# Altium PCB PCB_Tesis2.PcbDoc
Units mil, origin at the board's own origin, x right, y up, seen from the top; angles counter-clockwise.
Board outline 2510 x 850 mil, 2 copper layers (Top Layer, Bottom Layer); 30 components, 59 nets, 163 pads, 0 vias.
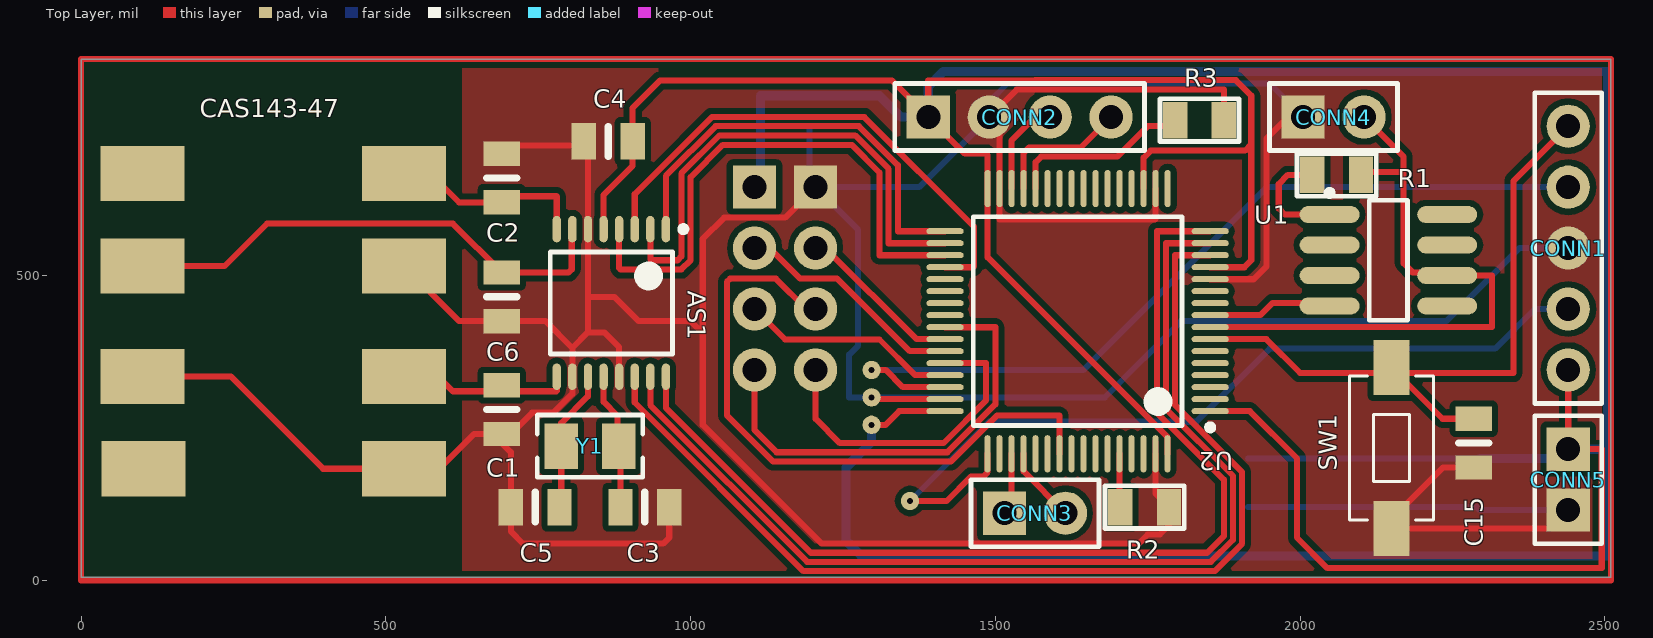
[diagram p0: Top Layer view]
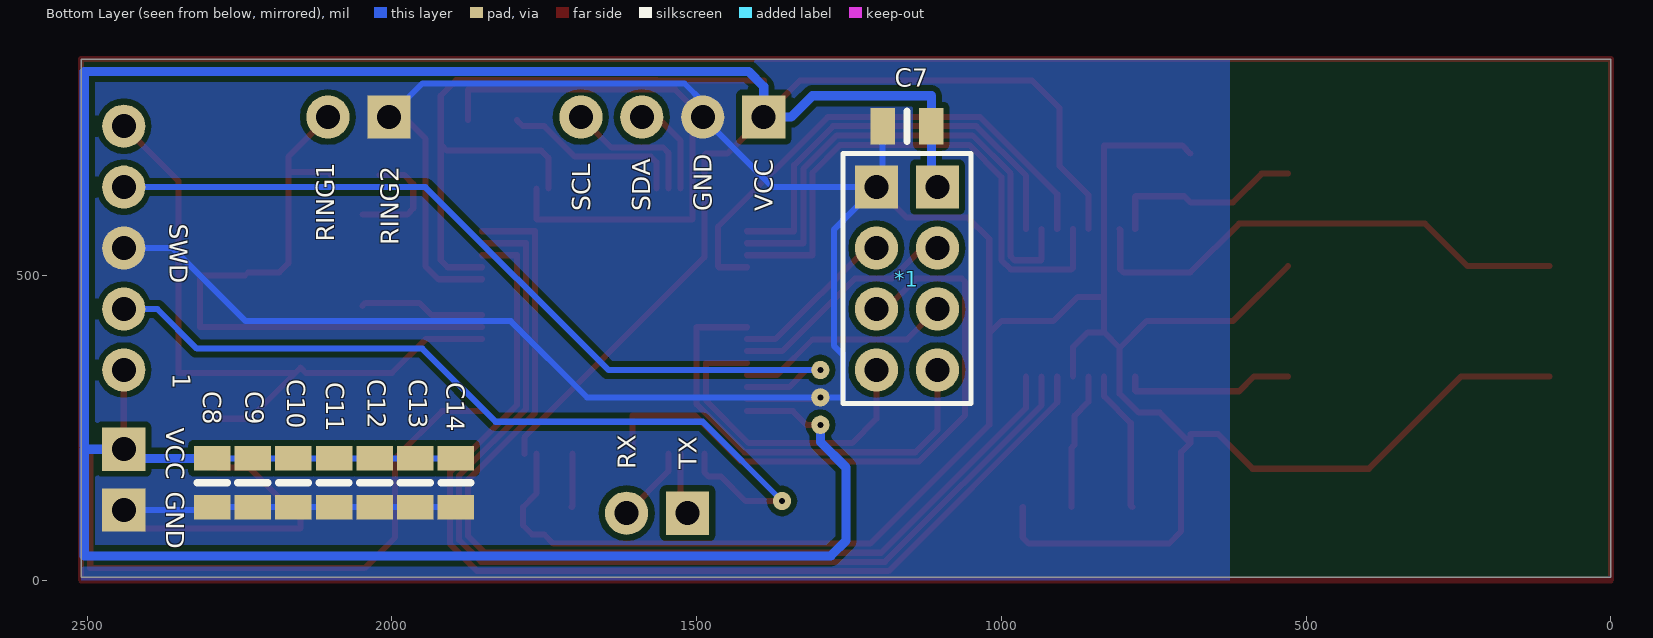
[diagram p1: Bottom Layer view, seen from below]

## Layer stack, top to bottom
Top Solder: solder mask 0.4, Solder Resist, Dk 3.5
Top Layer: signal copper 1.4
Dielectric 1: dielectric 12.6, FR-4, Dk 4.8
Bottom Layer: signal copper 1.4
Bottom Solder: solder mask 0.4, Solder Resist, Dk 3.5

## Board outline
0,5 0,855 2510,855 2510,5

## Design rules (kind name [scope] priority, off if disabled: settings)
Clearance [All] p1: gap=10 ignorepadtopadclearanceinfootprint=FALSE except(0: Arc-Hole Track-Hole SMDPad-Hole THPad-Hole Via-Hole Fill-Hole Poly-Hole Region-Hole Text-Hole; 5: Arc-Arc Arc-Track Arc-SMDPad Arc-THPad Arc-Via Track-Track Track-SMDPad Track-THPad Track-Via SMDPad-SMDPad SMDPad-THPad SMDPad-Via THPad-THPad THPad-Via Via-Via)
PolygonConnect [All] p1: connectstyle=Direct reliefconductorwidth=10 reliefentries=4 polygonreliefangle="90 Angle" airgapwidth=10
RoutingVias [All] p1: holewidth=28 width=50 viastyle="Through Hole" minholewidth=28 minwidth=50 maxholewidth=28 maxwidth=50
SolderMaskExpansion [All] p1: expansion=4
Width [All] p1: maxlimit=15 minlimit=10 preferedwidth=10 toplayer_maxwidth=10 minimp=50.000000 maximp=50.000000 favimp=50.000000
30 further rules are at their usual default settings.

## Classes and differential pairs
component class "Top Sheet": CONN1 CONN2 CONN3 CONN4 CONN5
component class STM32L152: C8 C9 C10 C11 C12 C13 C14 C15 R2 R3 SW1 U2
component class NRF24l01: C7 NRF24l01+
component class LM334: R1 U1
component class AS3933: AS1 C1 C2 C3 C4 C5 C6 CAS143-47 Y1

## Components (designator, comment, footprint, x,y, rotation, side; value= is the part's Value field where it differs from the comment)
*1 "NRF24l01" NRF24l01 1105,345 r0 bottom
AS1 "" TSOP65P640X110-16N 870,455 r270 top
C1 "330pF" SMD-0805C 690,280 r180 top
C2 "330pF" SMD-0805C 690,660 r0 top
C3 "22pF" SMD-0805C 925,120 r270 top
C4 "0.1uF" SMD-0805C 865,720 r270 top
C5 "22pF" SMD-0805C 745,120 r90 top
C6 "220pF" SMD-0805C 690,465 r0 top
C7 "10uf" SMD-0805C 1155,745 r270 bottom value=10uF
C8 "0.1uF" SMD-0805C 2295,160 r180 bottom
C9 "0.1uF" SMD-0805C 2228.33,160 r180 bottom
C10 "0.1uF" SMD-0805C 2161.67,160 r180 bottom
C11 "0.1uF" SMD-0805C 2095,160 r180 bottom
C12 "1uF" SMD-0805C 2028.33,160 r180 bottom
C13 "0.1uF" SMD-0805C 1961.67,160 r180 bottom
C14 "1uF" SMD-0805C 1895,160 r180 bottom
C15 "0.1uF" SMD-0805C 2285,225 r0 top
CAS143-47 "CAS143-47" CAS143-47 315,425 r90 top (schematic designator CAS1)
CONN1 "SWD" "1x5x2.54 Pin Header TH V" 2440,545 r90 top
CONN2 "Sensor Temperatura" "1x4x2.54 Pin Header TH V" 1540,760 r0 top
CONN3 "USART" "1x2x2.54 Pin Header TH V" 1565,110 r0 top
CONN4 "Connector" "1x2x2.54 Pin Header TH V - duplicate" 2055,760 r180 top
CONN5 "BATERY" "1x2X2.54 Horizontal" 2440,165 r270 top
R1 "Res1" SMD-0805-RES 2060,665 r90 top value=60.4
R2 "510" SMD-0805-RES 1745,120 r270 top
R3 "510" SMD-0805-RES 1835,755 r270 top
SW1 "Switch_Tact" Switch_Tact 2150,216.89 r90 top
U1 "LM334DT" M08A_M 2145,525 r0 top
U2 "STM32L152RCT6" STM-LQFP64_L 1635,425 r180 top
Y1 "32.7khz" "ABRACON ABS07" 835,220 r0 top

## Footprints (in the part's own frame and the unit in brackets; to place one, negate y for a bottom-side part, rotate by r counter-clockwise, add the part's x,y. Pads: shape width x height; smd on the part's side, far side on the other; paste and mask are expansions set on the pad)
"1x2X2.54 Horizontal" [mm] "1x2x2.54 Pin Header TH V"
  rect 1.8x1.8 hole 1: 1(-1.27,0) 2(1.27,0)
  silkscreen extent -2.67,-1.4 2.67,1.4, body extent -2.54,-0.32 2.54,9.81, height 2.51
"1x2x2.54 Pin Header TH V" [mm] "1x2x2.54 Pin Header TH V"
  rect 1.8x1.8 hole 1: 1(-1.27,0)
  round 1.8 hole 1: 2(1.27,0)
  silkscreen extent -2.67,-1.4 2.67,1.4
"1x2x2.54 Pin Header TH V - duplicate" [mm] "1x2x2.54 Pin Header TH V"
  round 1.8 hole 1: 1(-1.27,0)
  rect 1.8x1.8 hole 1: 2(1.27,0)
  silkscreen extent -2.67,-1.4 2.67,1.4
"1x4x2.54 Pin Header TH V" [mm] "1x4x2.54 Pin Header TH V"
  rect 1.8x1.8 hole 1: 1(-3.81,0)
  round 1.8 hole 1: 2(-1.27,0) 3(1.27,0) 4(3.81,0)
  silkscreen extent -5.21,-1.4 5.21,1.4, body extent -5.08,-1.27 5.08,1.27, height 8.55
"1x5x2.54 Pin Header TH V" [mm] "1x5x2.54 Pin Header TH V"
  round 1.8 hole 1: 1(-5.08,0) 2(-2.54,0) 3(0,0) 4(2.54,0) 5(5.08,0)
  silkscreen extent -6.48,-1.4 6.48,1.4, body extent -6.35,-9.88 6.35,0.25, height 2.51
"ABRACON ABS07" [mm] "Crystal, 2-Leads, Body 3.20x1.50mm, IPC Medium Density"
  rect 1.4x1.9 smd: 1(-1.2,0) 2(1.2,0)
  silkscreen extent -2.2,-1.3 2.2,1.3, body extent -1.62,-0.77 1.63,0.78, height 0.9
CAS143-47 [mm]
  rect 2.3x3.5 smd: 1(-6.15,5.4) 2(-2.3,5.45) 3(2.3,5.45) 4(6.15,5.45) 5(-6.15,-5.45) 6(-2.3,-5.45) 7(2.3,-5.45) 8(6.15,-5.45)
  body extent -7.2,-7.1 7.2,7, height 4
M08A_M [mm] "SOIC, 8-Leads, Body 4.9x3.9mm, Pitch 1.27mm, IPC Low Density"
  oval 2.5x0.7 smd: 1(-2.45,1.905) 2(-2.45,0.635) 3(-2.45,-0.635) 4(-2.45,-1.905) 5(2.45,-1.905) 6(2.45,-0.635) 7(2.45,0.635) 8(2.45,1.905)
  silkscreen extent -2.57,-2.5 0.8,2.93, body extent -3,-2.45 3,2.45, height 1.63
NRF24l01 [mm] "2.4 Ghz Transiever by Nordic."
  rect 1.8x1.8 hole 1: 1(2.54,-7.62) 2(0,-7.62)
  round 1.8 hole 1: 3(2.54,-5.08) 4(0,-5.08) 5(2.54,-2.54) 6(0,-2.54) 7(2.54,0) 8(0,0)
  silkscreen extent -1.4,-9.02 3.94,1.4, body extent -25,-9.5 4,5.5, height 6.52
SMD-0805-RES [mil]
  rect 60x40 smd: 1(0,40) 2(0,-40)
  silkscreen extent -35,-65 35,65, body extent -24,-39 26,39, height 31
SMD-0805C [mil]
  rect 60x40 smd: 1(0,40) 2(0,-40)
  silkscreen extent -25,0 25,0, body extent -25,-39 25,39, height 35
STM-LQFP64_L [mm] "Thin QFP, 64-Leads, Body 10x10mm, Pitch 0.5mm, IPC High Density"
  oval 1.55x0.25 smd: 1(-5.525,3.75) 2(-5.525,3.25) 3(-5.525,2.75) 4(-5.525,2.25) 5(-5.525,1.75) 6(-5.525,1.25) 7(-5.525,0.75) 8(-5.525,0.25) 9(-5.525,-0.25) 10(-5.525,-0.75) 11(-5.525,-1.25) 12(-5.525,-1.75) 13(-5.525,-2.25) 14(-5.525,-2.75) 15(-5.525,-3.25) 16(-5.525,-3.75) 33(5.525,-3.75) 34(5.525,-3.25) 35(5.525,-2.75) 36(5.525,-2.25) 37(5.525,-1.75) 38(5.525,-1.25) 39(5.525,-0.75) 40(5.525,-0.25) 41(5.525,0.25) 42(5.525,0.75) 43(5.525,1.25) 44(5.525,1.75) 45(5.525,2.25) 46(5.525,2.75) 47(5.525,3.25) 48(5.525,3.75)
  oval 0.25x1.55 smd: 17(-3.75,-5.525) 18(-3.25,-5.525) 19(-2.75,-5.525) 20(-2.25,-5.525) 21(-1.75,-5.525) 22(-1.25,-5.525) 23(-0.75,-5.525) 24(-0.25,-5.525) 25(0.25,-5.525) 26(0.75,-5.525) 27(1.25,-5.525) 28(1.75,-5.525) 29(2.25,-5.525) 30(2.75,-5.525) 31(3.25,-5.525) 32(3.75,-5.525) 49(3.75,5.525) 50(3.25,5.525) 51(2.75,5.525) 52(2.25,5.525) 53(1.75,5.525) 54(1.25,5.525) 55(0.75,5.525) 56(0.25,5.525) 57(-0.25,5.525) 58(-0.75,5.525) 59(-1.25,5.525) 60(-1.75,5.525) 61(-2.25,5.525) 62(-2.75,5.525) 63(-3.25,5.525) 64(-3.75,5.525)
  silkscreen extent -5.65,-4.35 4.35,4.55, body extent -6,-6 6,6, height 1.6
Switch_Tact [mm] "6.0*3.5mm vertical type, SMD, height 4.3mm, salmon actuator, 360gf, T&R"
  rect 2.3x1.5 smd: 1(-3.35,0) 2(3.35,0)
  silkscreen extent -3,-1.75 3,1.75, body extent -4,-1.8 4,1.8, height 2.5
TSOP65P640X110-16N [mm] "TSOP, 16-Leads, Body 5.00x4.40mm, Pitch 0.65mm, IPC Medium Density"
  oval 1.1x0.35 smd: 1(-3.075,2.275) 2(-3.075,1.625) 3(-3.075,0.975) 4(-3.075,0.325) 5(-3.075,-0.325) 6(-3.075,-0.975) 7(-3.075,-1.625) 8(-3.075,-2.275) 9(3.075,-2.275) 10(3.075,-1.625) 11(3.075,-0.975) 12(3.075,-0.325) 13(3.075,0.325) 14(3.075,0.975) 15(3.075,1.625) 16(3.075,2.275)
  silkscreen extent -3.2,-2.55 2.12,3.13, body extent -3.34,-2.55 3.09,2.55, height 1.11

## Part data
AS1 CAS143-47: library part Component_1
C1 C2: library part CC0805GRNPO9BN331, "Cap Ceramic 330pF 50V C0G 2%  0805", Manufacturer=Yageo, Package / Case=0805, Tolerance=2%, Voltage=50V, Part Number=CC0805GRNPO9BN331
C3 C5: library part CL21C220JBANNND, "Cap Ceramic 22pF 50V C0G 5%0805", Manufacturer="Samsung Electro-Mechanics", Package / Case=0805, Tolerance=1%, Voltage=100V, Part Number=CL21C220JBANNND
C4 C8 C9 C10 C11 C13 C15: library part CL21B104JBCNNNC, "CAP CER 0.1uF 50V X7T 0805", Manufacturer="Samsung Electro-Mechanics", Package / Case=0805, Part Number=GC321AD72E103KX01D, Tolerance=5%, Voltage=50V
C6: library part GCM2165C2A221FA16D, "Cap Ceramic 220pF 100V C0G 1% 0805", Manufacturer="Murata Manufacturing", Package / Case=0805, Tolerance=1%, Voltage=100V, Part Number=GCM2165C2A221FA16D
C7: library part EKA00AA247F00, "Aluminum Electrolytic Capacitor, Radial Style with Long Leads: 47uF, 35V", ComponentLink1Description="Manufacturer Link", ComponentLink1URL=http://www.vishay.com/, ComponentLink2Description=Datasheet, ComponentLink2URL=http://www.vishay.com/docs/25014/eka.pdf, DatasheetDocument=20-Feb-2001, DrillSize="Nominal, Rounded To The Nearest 0.1mm", Note="Refer to Manufacturer's Data Sheets for other lead formations", PackageReference=CAPPR2-5X11, Published=19-Mar-2004, Publisher="Altium Limited"
C12 C14: library part CL21B105KOFNNNG, "CAP CER 1uF 16V X7T 0805", Manufacturer="Samsung Electro-Mechanics", Package / Case=0805, Tolerance=10%, Voltage=16V, Part Number=CL21B105KOFNNNG
CONN1: library part "Header 1x5"
CONN2: library part "Header 1x4"
CONN3 CONN4 CONN5: library part "Header 1x2"
R1: "Resistor", LatestRevisionDate=17-Jul-2002, LatestRevisionNote="Re-released for DXP Platform.", PackageDescription="Axial Device, Thru-Hole; 2 Leads; 0.3 in Pin Spacing", PackageReference=AXIAL-0.3, Published=8-Jun-2000, Publisher="Altium Limited"
R2 R3: library part ERJ-6GEYJ511V, "RES SMD 510 OHM 5% 1/8W 0805", Digi-Key Part Number=P510ACT-ND, Manufacturer="Panasonic Electronic Components", Operating Temperature="-55°C ~ 155°C", Package / Case="0805 (2012 Metric)", Power (Watts)="0.125W, 1/8W", Supplier Device Package=0805, Temperature Coefficient=±200ppm/°C, Tolerance=±5%, @ qty=1500, Composition="Thick Film", Datasheets=http://industrial.panasonic.com/www-cgi/jvcr13pz.cgi?E+PZ+3+AOA0001+ERJ6GEYJ511V+7+WW, Factory Stock=0, Failure Rate=-, Features="Automotive AEC-Q200", Height - Seated (Max)="0.028\" (0.70mm)", Image=//media.digikey.com/Renders/Panasonic%20Renders/ERJ-0805%20Pkg.jpg, Minimum Quantity=1, Number of Terminations=2, Packaging="Cut Tape (CT)", Part Number=ERJ-6GEYJ511V, Part Status=Active, Quantity Available=116915, Series=ERJ, Size / Dimension="0.079\" L x 0.049\" W (2.00mm x 1.25mm)", Unit Price (USD)=0.00496
SW1: "WS-TASV SMD Tact Switch 6.0X3.5 mm", PartNumber=434121050836, ComponentLink1Description="Manufacturer URL", ComponentLink1URL=http://www.we-online.com, ComponentLink2Description=Datasheet, ComponentLink2URL=http://katalog.we-online.de/em/datasheet/434121050836.pdf, NoPins=04, PackageReference=434121050836
U1: "3-Terminal Adjustable Current Source, 8-pin Narrow SOIC", Manufacturer="National Semiconductor", PackageTopMarking=NSZXTT*LM334*M, PartNumber=LM334M, PowerWise=N, Code_IPC=SOIC127P600-8, Code_JEDEC=MS-012-AA, ComponentLink1Description="Manufacturer URL", ComponentLink1URL=http://www.national.com/, ComponentLink2Description="LM334 Datasheet", ComponentLink2URL=http://www.national.com/ds/LM/LM334.pdf, ComponentLink3Description="LM334 Web Page", ComponentLink3URL=http://www.national.com/pf/LM/LM334.html, ComponentLink4Description="M08A Package Page", ComponentLink4URL=http://www.national.com/packaging/folders/m08a.html, CompType=MiscPower, DatasheetVersion=Mar-2005, High-Reliability=Y, PackageDescription="SOIC Narrow, 4.9 x 3.9 x 1.45mm, 8 Lead, 1.27mm Pitch", PackageReference=M08A, PackageVersion="revM, May-2009", PinCount=8, RoHS=N
U2: "ARM Cortex-M3 32-bit MCU, 256 KB Flash, 32 KB Internal RAM, 51 I/Os, 64-pin LQFP, -40 to 85 degC, Tray", I/Os (High Current)=51, Manufacturer=STMicroelectronics, Operating Frequency(F) (Processor speed) (MHz)=32, Supply Voltage(Vcc) min (V)=1.65, ComponentLink1Description="Manufacturer URL", ComponentLink1URL=http://www.st.com/web/en/home.html, ComponentLink2Description=Datasheet, ComponentLink2URL=http://www.st.com/st-web-ui/static/active/en/resource/technical/document/datasheet/DM00048356.pdf, ComponentLink3Description="Package Specification", ComponentLink3URL=http://www.st.com/st-web-ui/static/active/en/resource/technical/document/datasheet/DM00037051.pdf, Core="ARM Cortex-M3", D/A Converter="2x12-bit (2 Channel)", Data E2PROM nom (B)=8192, DatasheetVersion="Rev. 3", Display controller="LCD 4x32/8x28", FLASH Size (Prog) (kB)=256, Internal RAM Size (kB)=32, Mounting Technology="Surface Mount", PackageDescription="64-Pin Low Profile Quad Flat Package, 10 x 10 mm Body, 0.5 mm Pitch", PackageReference=LQFP64, PackageVersion="Rev. 4, 06/2013", Packing=Tray, PartNumber=STM32L152RCT6
Y1: library part "Abracon Crystal ABS07", "SMT Crystal"

## Free pads (board coordinates)
  round 30 hole 10: 3(1297.05,345) 6(1297.05,300) 7(1297.05,255) 8(1360,130)

## Nets (pads, with @x,y where several pads share a name; then routed paths per layer and width w, separated by ;. In a path a pad name is that pad's centre, name@x,y a point inside that pad or via, vN(x,y) a via of type N, cw(c..) or ccw(c..) an arc to the next point about the centre after c; other vN are vias at no path point)
BOOT0: R2.2 U2.60 | length 87.9
  Top Layer w10: U2.60 1703.9,121.1 R2.2
GND: *1.1 AS1.6 AS1.10 AS1.13 C1.1 C2.1 C3.1 C4.2 C5.1 C6.2 C7.2 C8.2 C9.2 C10.2 C11.2 C12.2 C13.2 C14.2 C15.2 CAS143-47.2 CAS143-47.5 CAS143-47.7 CONN1.3 CONN2.2 CONN4.2 CONN5.2 pad.6 R2.1 R3.1 SW1.1 U2.12 U2.18 U2.31 U2.47 U2.63 | length 9173.7
  Top Layer w10: CAS143-47.2 245.55,334.45 397.13,182.87 CAS143-47.5 587.87,182.87 645,240 C1.1 C1.1@690,225 ; CAS143-47.7 620.12,425 C6.2 762.05,425 806.02,381.02 ; C2.1 703.39,713.39 831.61,713.39 AS1.6 831.61,465 ; AS1.13 882.8,382.2 858.39,406.61 831.61,406.61 ; C3.1 965,70 955,60 725,60 705,80 C5.1 705,210 C1.1@690,225 ; *1.1 1155,595 1055,595 1020,560 1020,405 ; pad.6@1297.05,297.05 U2.47 ; U2.63 1762.95,142.05 R2.1 1785,90 1770,75 1750,75 1735,60 1215,60 1020,255 1020,405 ; U2.18 1762.95,592.95 1762.05,592.05 1507.05,592.05 U2.31 1507.05,742.95 CONN2.2 1535,805 1570.75,805 1571.18,805.43 1708.82,805.43 1709.25,805 1875,805 R3.1 ; U2.12 1923.9,493.9 1945,515 1945,725 1980,760 CONN4.2 ; C15.2 2235,185 2150,100 SW1.1 2410,85 CONN5.2 ; C1.1@690,225 740,275 775,275 806.02,306.02 AS1.10 806.02,381.02 ; 806.02,381.02 831.61,406.61 ; 831.61,406.61 831.61,465 ; 831.61,465 875,465 915,425 1000,425 1020,405
  Bottom Layer w10: C7.2 1195,655 *1.1 ; C14.2@1915,120 C13.2 C12.2 C11.2 C10.2 C9.2 2290,120 2295,115 CONN5.2 ; CONN4.2 1950,815 1520,815 1490,785 CONN2.2 1375,645 *1.1 ; CONN1.3 2360,545 2240,425 1805,425 1680,300 pad.6 1260,300 1260,370 1275,385 1275,575 *1.1
LF1P: AS1.9 C1.2 CAS143-47.6 | length 284.4
  Top Layer w10: CAS143-47.6 585.55,334.45 610,310 779.57,310 780.43,310.87 AS1.9
LF2P: AS1.8 C2.2 CAS143-47.8 | length 328.2
  Top Layer w10: CAS143-47.8 572.87,667.13 620,620 C2.2 700,630 780,630 780.43,629.57 AS1.8
LF3P: AS1.7 C6.1 CAS143-47.3 | length 835
  Top Layer w10: CAS143-47.3 235.55,515.55 305,585 610,585 C6.1 800,505 805,510 805,575.04 AS1.7
NetAS1_11: AS1.11 C5.2 Y1.1 | length 233.2
  Top Layer w10: C5.2 787.76,122.76 Y1.1 787.76,257.76 831.61,301.61 AS1.11
NetAS1_12: AS1.12 C3.2 Y1.2 | length 225.5
  Top Layer w10: AS1.12 857.2,292.8 880,270 880,222.24 Y1.2 885,217.24 C3.2
NetR1_1: R1.1 U1.1 | length 188.9
  Top Layer w10: R1.1 1980,665 1965,650 1965,610 1975,600 U1.1
NRST: C15.1 CONN1.5 SW1.2 U2.7 | length 1127.3
  Top Layer w10: U2.7 1944.53,395.47 2000,340 2141.22,340 SW1.2 SW1.2@2158.78,340 ; C15.1 2233.78,265 SW1.2@2158.78,340 ; CONN1.5 2350,655 2350,340 SW1.2@2158.78,340
PA0: AS1.14 U2.14 | length 1748.5
  Top Layer w10: AS1.14 908.39,291.61 1185,15 1860,15 1905,60 1905,177.43 1795,287.43 1795,533.27 U2.14
PA1: AS1.15 U2.15 | length 1729.1
  Top Layer w10: AS1.15 933.98,287.24 1191.21,30 1853.79,30 1890,66.21 1890,171.21 1780,281.21 1780,552.95 U2.15
PA2: AS1.16 U2.16 | length 1709.7
  Top Layer w10: AS1.16 959.57,282.86 1197.43,45 1847.57,45 1875,72.43 1875,165 1765,275 1765,572.64 U2.16
PA3: U2.17
PA4: U2.20
PA5: U2.21
PA6: U2.22
PA7: U2.23
PA8: *1.8 U2.41 | length 750.2
  Top Layer w10: *1.8 1105,246.21 1141.21,210 1421.21,210 1500,288.79 1500,415 1417.64,415 U2.41
PA9: *1.3 U2.42 | length 274.4
  Top Layer w10: *1.3 1221.21,545 1370.74,395.47 U2.42
PA10: *1.4 U2.43 | length 382.6
  Top Layer w10: *1.4 1130,545 1180,495 1240.47,495 1359.69,375.79 U2.43
PA11: *1.7 U2.44 | length 541.3
  Top Layer w10: *1.7@1210,340 *1.7 1205,265 1245,225 1415,225 1485,295 1485,356.1 U2.44
PA12: *1.6 U2.45 | length 357.5
  Top Layer w10: *1.6 1155,395 1310,395 1368.58,336.42 U2.45
PA13: CONN1.4 pad.3 U2.46 | length 1401.4
  Top Layer w10: pad.3@1295,345 pad.3 1320,345 1348.27,316.73 U2.46
  Bottom Layer w10: pad.3 1645,345 1945,645 CONN1.4
PA14: CONN1.2 pad.8 U2.49 | length 1387.6
  Top Layer w10: pad.8 1420,130 1460,170 1480,170 1487.36,177.36 U2.49
  Bottom Layer w10: pad.8 1490,260 1830,260 1950,380 2320,380 2385,445 CONN1.2
PA15: U2.50
PB0: U2.26
PB1: U2.27
PB2: R3.2 U2.28 | length 301
  Top Layer w10: U2.28 1566.1,686.1 1575,695 1700,695 1750,745 1785,745 R3.2
PB3: *1.5 U2.55 | length 1058.3
  Top Layer w10: *1.5 1190,445 1140,495 1065,495 1059.57,489.57 1059.57,270.43 1135,195 1427.43,195 1502.86,270.43 1514.57,270.43 1515,270 1605,270 1605.47,269.53 U2.55
PB4: U2.56
PB5: U2.57
PB6: U2.58
PB7: U2.59
PB8: U2.61
PB9: U2.62
PB10: CONN2.4 U2.29 | length 226.7
  Top Layer w10: U2.29 1546.42,701.42 1555,710 1640,710 CONN2.4
PB11: CONN2.3 U2.30 | length 162
  Top Layer w10: U2.30 1526.73,721.73 CONN2.3@1565,760 ; CONN2.3@1561.32,760 CONN2.3@1565,760 ; CONN2.3 CONN2.3@1565,760
PB12: AS1.1 U2.33 | length 714
  Top Layer w10: AS1.1 959.57,663.35 1041.21,745 1276.21,745 1340,681.21 1340,572.64 U2.33
PB13: AS1.2 U2.34 | length 843.6
  Top Layer w10: AS1.2 933.98,526.02 935,525 978.79,525 985,531.21 985,667.57 1047.43,730 1270,730 1325,675 1325,552.95 U2.34
PB14: AS1.4 U2.35 | length 918.4
  Top Layer w10: AS1.4 882.8,512.2 885,510 985,510 1000,525 1000,661.36 1053.03,714.39 1264.39,714.39 1310,668.79 1310,533.27 U2.35
PB15: AS1.3 U2.36 | length 854
  Top Layer w10: AS1.3 908.39,633.39 1035,760 1285,760 1465,580 1465,515 1463.58,513.58 U2.36
PC0: CONN4.1 R1.2 U1.6 U2.8 | length 1032.4
  Top Layer w10: U2.8 2314.84,415.16 2315,415.32 2315,500 U1.6 ; R1.2 2105,670 2170,670 ; CONN4.1 2170,695 2170,670 ; U1.6@2236.46,505 2185,505 2170,520 2170,670
PC1: U1.4 U2.9 | length 206.4
  Top Layer w10: U2.9 1852.68,435 1935,435 1955,455 2043.54,455 U1.4
PC2: U2.10
PC3: U2.11
PC4: U2.24
PC5: U2.25
PC6: U2.37
PC7: U2.38
PC8: U2.39
PC9: U2.40
PC10: CONN3.1 U2.51 | length 102.3
  Top Layer w10: CONN3.1 1526.73,121.73 U2.51
PC11: CONN3.2 U2.52 | length 125.9
  Top Layer w10: U2.52 1546.42,178.58 CONN3.2
PC12: U2.53
PC13: U2.2
PC14: U2.3
PC15: U2.4
PD2: U2.54
VCC: *1.2 AS1.5 C4.1 C7.1 C8.1 C9.1 C10.1 C11.1 C12.1 C13.1 C14.1 CONN1.1 CONN2.1 CONN5.1 pad.7 U2.1 U2.13 U2.19 U2.32 U2.48 U2.64 | length 8484.3
  Top Layer w10: AS1.5 857.2,632.2 905,680 C4.1 905,775 950,820 1330,820 CONN2.1 ; pad.7@1295,255 pad.7@1296.99,255.33 ; pad.7 1320,255 1342.36,277.36 U2.48 ; U2.19 1743.27,693.27 1755,705 1910,705 1920,715 ; U2.64 1782.64,234.49 1487.36,529.76 U2.32 1487.36,697.64 1485,700 1450,700 CONN2.1 ; U2.1 1917.64,277.36 1995,200 1995,70 2045,20 2495,20 2495,215 CONN5.1 CONN1.1 ; U2.13 1908.58,513.58 1920,525 1920,715 ; CONN2.1 1390,820 1564.53,820 1564.97,820.43 1894.57,820.43 1920,795 1920,715
  Bottom Layer w10: *1.2@1100,650 *1.2 *1.2@1115,655 ; C14.1@1915,200 C13.1 C12.1 C11.1 C10.1 C9.1 C8.1 ; CONN5.1@2425,200 CONN5.1 ; 2505,215 2505,220
  Bottom Layer w15: *1.2@1115,655 C7.1 1115,795 1310,795 1345,760 CONN2.1 1390,810 1415,835 2505,835 2505,220 ; pad.7 1297.05,227.05 1255,185 1255,65 1280,40 2505,40 2505,215 CONN5.1 ; C8.1 CONN5.1@2425,200
pads on no net: CAS143-47.1 CAS143-47.4 U1.2 U1.3 U1.5 U1.7 U1.8 U2.5 U2.6
copper on no net: | length 6730
  Top Layer w10: 0,0 0,855 2510,855 2510,0 0,0

## Polygon pours and split planes (outlines as drawn)
GND on Top Layer "Ground_Plane_Top" (solid, pour order 2): 625,855 625,0 2510,0 2510,855
GND on Bottom Layer "Ground_Plane_Bottom" (solid, pour order 4): 625,855 625,0 2510,0 2510,855

## Silkscreen, mask and mechanical layers (free items; w line width, h text height)
Bottom Overlay:
  text "SDA" at 1575.94,605.56 h30 r270
  text "SCL" at 1674.37,605.56 h30 r270
  text "VCC" at 1375,605 h30 r270
  text "GND" at 1475,605 h30 r270
  text "SWD" at 2365,585 h30 r90
  text "RING1" at 2095,555 h30 r270
  text "RING2" at 1988.86,550 h30 r270
  text "1" at 2360,340 h30 r90
  text "VCC" at 2370,250 h30 r90
  text "TX" at 1500,181.73 h30 r270
  text "RX" at 1600,181.73 h30 r270
  text "GND" at 2370,145 h30 r90